# Allegro board RK_EVB1_RK3576_LP4XD200P132SD6_V12_20240530YWQ.brd (continued)
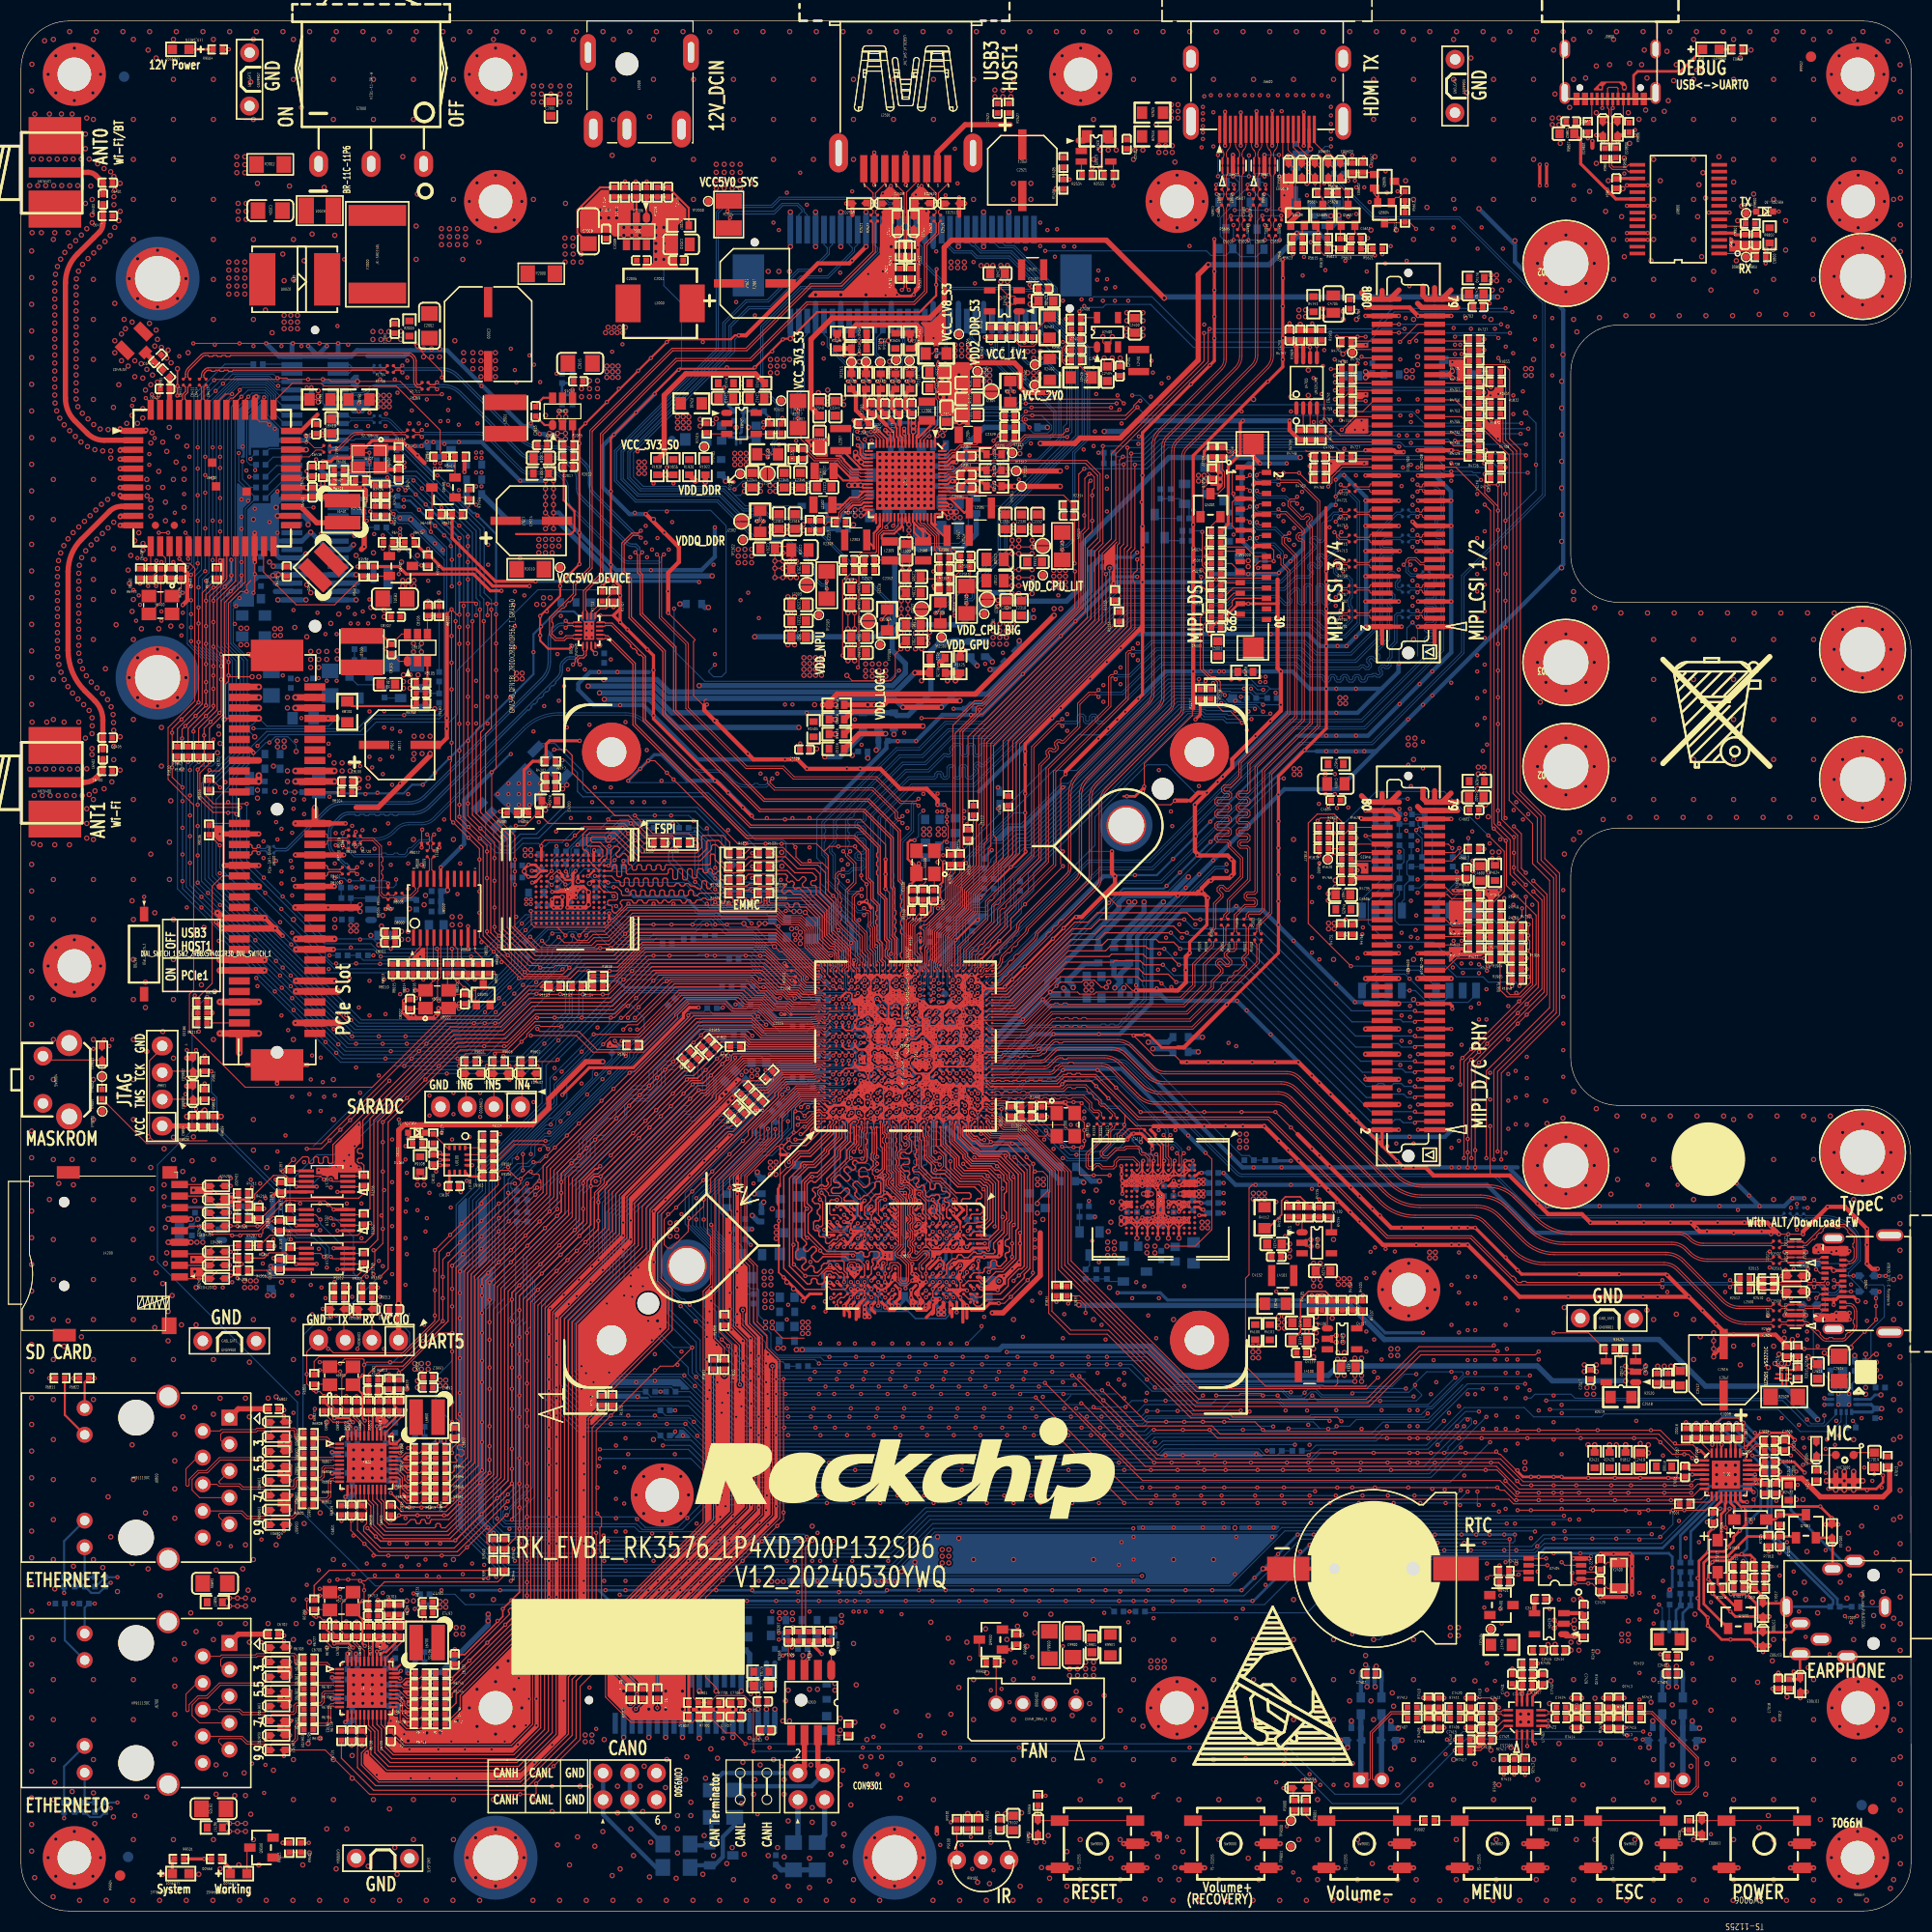
[diagram p0: board, top side]
## Routing (per net, layer and track width the routed paths; a pad name or vN(x,y) marks a point on that pad's centre or on a via; arc(x,y) is an arc through that point) (continued)
TYPEC_RX1P: length 11.9
  TOP w0.098: J2500.B11 173.77,57.5 173.91,57.64 174.16,57.64 arc(174.28,57.61) 174.39,57.54 174.43,57.5 arc(174.56,57.31) 174.61,57.08 174.61,56.39 174.49,56.27 174.49,55.96 174.61,55.85 174.61,55.7 arc(174.58,55.55) 174.5,55.43 174.16,55.09 173.99,55.09 173.78,54.88 173.78,54.71 173.63,54.57 arc(173.55,54.51) 173.46,54.5 172.63,54.5 172.51,54.61 172.2,54.61 172.09,54.5 171.92,54.5 arc(171.79,54.52) 171.69,54.59 171.36,54.92 171.36,55.08 171.14,55.3 170.98,55.3 170.76,55.52 170.76,55.68 170.55,55.9 170.38,55.9 170.17,56.11 169.84,56.11 169.7,56.25 ED2505.2 ED2505.9 168.28,56.25 168.12,56.09 167.67,56.09 R2506.2
TYPEC_RX2N: length 4.6
  TOP w0.098: J2500.A10 171.43,61.75 171.3,61.89 169.93,61.89 169.8,61.75 ED2507.1 ED2507.10 168.27,61.75 168.15,61.87 167.67,61.87 R2507.2
TYPEC_RX2P: length 4.6
  TOP w0.098: J2500.A11 171.43,62.25 171.3,62.11 169.93,62.11 169.8,62.25 ED2507.2 ED2507.9 168.31,62.25 168.15,62.09 167.67,62.09 R2508.2
TYPEC_SBU1: length 15.7
  TOP w0.107: J2500.A8 171.34,60.75 170.99,61.1 v1(170.96,61.1)
  BOTTOM w0.098: ED2500.1 173.15,61.66 173.65,61.16 174.1,61.16 174.95,62.01 174.95,63.62 arc(174.82,64.29) 174.43,64.86 arc(173.17,65.71) 171.68,66.01 169.96,66.01 R2503.1 169.58,66.01 169.32,66.01 R2500.2 168.95,66.01 168.68,66.01 C2500.2
  BOTTOM w0.107: v1(170.96,61.1) ED2500.1
TYPEC_SBU2: length 15.6
  TOP w0.107: J2500.B8 v1(174.28,59)
  BOTTOM w0.098: C2501.2 168.68,66.23 168.95,66.23 R2502.2 169.32,66.23 169.41,66.23 169.58,66.23 R2504.1 169.96,66.23 171.68,66.23 arc(173.25,65.92) 174.59,65.02 arc(175.02,64.38) 175.17,63.62 175.17,61.92 174.03,60.78 174.03,60.5 175.15,59.37 ED2503.1 v1(174.28,59)
TYPEC_TX1N: length 4.6
  TOP w0.098: J2500.A3 171.43,57.75 171.3,57.61 169.93,57.61 169.8,57.75 ED2505.5 ED2505.6 168.31,57.75 168.15,57.59 167.67,57.59 C2508.2
TYPEC_TX1P: length 4.6
  TOP w0.098: C2509.2 167.67,57.37 168.15,57.37 168.27,57.25 ED2505.7 ED2505.4 169.8,57.25 169.93,57.39 171.3,57.39 171.43,57.25 J2500.A2
TYPEC_TX2N: length 12.4
  TOP w0.098: C2510.2 167.67,63.59 168.15,63.59 168.31,63.75 ED2507.6 ED2507.5 169.64,63.75 169.78,63.61 169.98,63.61 171.6,65.24 arc(171.77,65.35) 171.96,65.39 173.72,65.39 174.8,64.31 174.8,62.3 arc(174.76,62.1) 174.65,61.94 174.5,61.78 arc(174.34,61.68) 174.15,61.64 174.02,61.64 173.88,61.5 J2500.B3
TYPEC_TX2P: length 12.2
  TOP w0.098: J2500.B2 173.88,62 174.02,61.86 174.15,61.86 arc(174.25,61.88) 174.34,61.94 174.49,62.09 arc(174.56,62.19) 174.58,62.3 174.58,63.12 174.46,63.23 174.46,63.54 174.58,63.65 174.58,64.21 174.36,64.43 174.2,64.43 173.98,64.64 173.98,64.81 173.63,65.16 173.32,65.16 173.2,65.05 172.9,65.05 172.78,65.16 171.96,65.16 arc(171.85,65.14) 171.76,65.08 171.63,64.95 171.63,64.78 171.41,64.57 171.25,64.57 171.03,64.35 171.03,64.19 170.82,63.97 170.65,63.97 170.07,63.39 169.77,63.39 169.64,63.25 ED2507.4 ED2507.7 168.27,63.25 168.15,63.37 167.67,63.37 C2511.2
UART0_RX_M0_DEBUG: length 128.2
  TOP w0.089: U1000.AA28 86.9,89.61 86.9,90.35 87.01,90.47
  TOP w0.102: 87.01,90.47 87.01,93.28 89.46,95.73 89.46,97.5 91.48,99.52 91.48,103.2 91.73,103.45 91.73,111.51 102.98,122.75 102.98,129.3 104.27,130.59 104.27,138.76 113.07,147.56 113.07,150.54 v1(113.2,150.68) ; v1(166.16,156.92) 166.17,156.93 R9801.1
  L4-SIG w0.102: v1(166.16,156.92) 161.91,152.67 141.42,152.67 v1(141.39,152.64)
  BOTTOM w0.102: v1(141.39,152.64) 141.38,152.63 130.62,152.63 128.67,150.68 v1(113.2,150.68)
UART0_TX_M0_DEBUG: length 134.8
  TOP w0.089: U1000.1U24 86.71,89.04 86.71,90.44
  TOP w0.102: 86.71,90.44 86.81,90.54 86.81,93.37 89.26,95.82 89.26,97.58 91.23,99.55 91.23,103.45 91.48,103.7 91.48,111.72 102.66,122.9 102.66,129.48 103.84,130.67 103.84,138.79 112.67,147.62 v1(112.67,150.28) ; D9800.2 v1(167.41,161.85)
  L4-SIG w0.102: v1(142.03,152.29) 142.08,152.34 162.09,152.34 167.55,157.81 167.55,161.71 v1(167.41,161.85)
  BOTTOM w0.102: v1(112.67,150.28) 112.71,150.32 128.83,150.32 130.79,152.29 v1(142.03,152.29)
UART4_CTSN_M1: length 114.9
  TOP w0.102: U6400.42 19.6,143.02 19.6,143.71 19.98,144.09 20.22,144.09 20.83,144.71 v1(20.83,144.85) ; v1(30.25,85.53) 30.93,84.85 v1(31.44,84.85)
  BOTTOM w0.102: v1(30.25,85.53) 17.52,98.26 17.52,107.33 20.49,110.31 20.49,119.07 19.04,120.52 19.04,126.3 19.68,126.94 19.68,143.55 20.83,144.71 v1(20.83,144.85) 21.09,145.11 23.28,145.11 24.04,144.34 24.04,143.45 25.04,142.46 25.8,142.46 CON6500.45 ; R1815.2 63.01,92.65 60.49,92.65 60.23,92.39 57.15,92.39 55.87,93.67 50.08,93.67 47.32,90.91 47.32,90.1 41.48,84.26 32.02,84.26 v1(31.44,84.85)
UART4_RTSN_M1: length 99
  TOP w0.102: U6400.43 18.65,143.65 19.47,144.47 v1(20.1,144.47)
  BOTTOM w0.102: R1814.2 48.27,90.2 41.72,83.65 31.62,83.65 17.18,98.09 17.18,107.38 20.12,110.32 20.12,119.11 18.67,120.56 18.67,126.44 19.32,127.08 19.32,143.69 v1(20.1,144.47) 20.1,144.68 20.78,145.36 23.31,145.36 24.25,144.42 24.25,144.01 24.99,143.27 CON6500.47
UART4_RX_M1: length 95.5
  TOP w0.102: U6400.40 21.35,143.91 v1(21.65,144.22)
  BOTTOM w0.102: R1817.2 47.02,91.27 47.02,90.23 41.36,84.57 32.22,84.57 18.23,98.56 18.23,107.11 21.19,110.08 21.19,119.1 19.6,120.7 19.6,124.82 20.65,125.87 20.65,129.07 20.39,129.33 20.39,142.95 v1(21.65,144.22) 22.01,144.57 23.24,144.57 23.5,144.3 23.5,142.47 25.11,140.87 CON6500.41
UART4_TX_M1: length 111.9
  TOP w0.102: v1(20.99,144.22) 20.45,143.67 U6400.41
  BOTTOM w0.102: CON6500.43 25.8,141.66 25.08,141.66 23.79,142.95 23.79,144.31 23.24,144.85 21.63,144.85 v1(20.99,144.22) 20.03,143.25 20.03,129.16 20.38,128.81 20.38,126.6 19.34,125.57 19.34,120.59 20.87,119.07 20.87,110.25 17.87,107.25 17.87,98.41 30.6,85.68 30.6,85.14 31.79,83.96 41.61,83.96 47.67,90.01 47.67,90.95 50.18,93.46 55.37,93.46 56.76,92.06 60.99,92.06 R1816.2
UART5_RX_M2/I2C5_SDA_M0: length 10.7
  TOP w0.102: U1302.3 29.69,65.8 v1(29.5,65.98) ; R9313.1 R9311.2 v1(32.52,59.89)
  BOTTOM w0.102: v1(29.5,65.98) 29.89,65.98 31.66,64.21 31.66,60.75 v1(32.52,59.89)
UART5_TX_M2/I2C5_SCL_M0: length 10.3
  TOP w0.102: v1(28.51,65.86) 28.06,66.3 U1302.7 ; v1(29.85,59.89) R9312.2 R9314.1
  BOTTOM w0.102: v1(28.51,65.86) 28.51,65.46 30.77,63.19 30.77,60.82 v1(29.85,59.89)
UFS_AVDD0V85: length 18.8
  TOP w0.229: U1000.2N2 v1(88.47,79.12)
  BOTTOM w0.305: v1(88.47,79.12) 88.47,78.77 C1302.1 88.36,78.71 87.65,78 87.65,75.15 C1303.1
  BOTTOM w0.508: R1320.1 96,72.49 93.42,72.49 93.01,72.09 91.35,72.09 90.85,72.59 90.21,72.59 C1303.1
UFS_AVDD1V8: length 17.3
  TOP w0.229: U1000.2P2 v1(89.12,79.12)
  BOTTOM w0.305: v1(89.12,79.12) 89.12,78.83 C1305.1 89.3,78.56 89.3,74.99 C1306.1
  BOTTOM w0.508: R1323.1 98.65,70.88 95.88,73.65 93.58,73.65 92.62,72.69 91.63,72.69 91.1,73.22 90.55,73.22 89.15,74.62 C1306.1
UFS_REFCLK: length 18.8
  TOP w0.114: U4100.H1 108.28,71.89 v1(108.12,72.06)
  BOTTOM w0.114: R1306.2 94.22,75.49 96.96,75.49 100.07,72.38 101.81,72.38 103.85,74.41 104.96,74.41 105.83,73.54 105.83,73.35 107.12,72.06 C4109.1 v1(108.12,72.06)
UFS_RSTN: length 22.6
  TOP w0.089: U4100.H2 108.53,70.8 108.53,71.57
  TOP w0.114: 108.53,71.57 108.53,72.81 107.02,74.32 C4110.1 106.92,74.49 105.5,74.49 v1(104.74,73.73)
  BOTTOM w0.114: v1(104.74,73.73) 102.67,71.66 99.77,71.66 96.48,74.95 92.41,74.95 R1304.2
UFS_RX0N: length 14.1
  TOP w0.089: U1000.AL7 92.54,78.01 92.78,78.01 92.84,78.07 93.12,78.07 93.25,77.94 93.53,77.94 93.67,78.07 93.94,78.07 94.08,77.94 94.36,77.94 94.49,78.07 94.77,78.07 94.91,77.94 95.19,77.94 95.32,78.07 95.6,78.07 95.74,77.94 96.02,77.94 96.15,78.07 99.31,78.07 99.7,78.46 99.98,78.46 100.12,78.33 100.39,78.33 100.53,78.46 101.33,78.46 101.52,78.26 101.52,78.07 101.72,77.88 101.91,77.88 102.11,77.68 102.11,77.49 102.31,77.29 102.5,77.29 102.66,77.13 102.66,76.86 102.88,76.64 103.15,76.64 103.95,75.84 103.95,75.72 R1314.1
UFS_RX0P: length 14.3
  TOP w0.089: R1313.1 104.18,75.73 104.18,75.93 103.24,76.86 102.97,76.86 102.88,76.95 102.88,77.22 101.42,78.68 99.61,78.68 99.22,78.3 92.74,78.3 92.68,78.24 92.22,78.24 U1000.AK8
UFS_RX1N: length 12.5
  TOP w0.089: U1000.AL6 92.54,77.47 92.86,77.47 92.98,77.35 93.28,77.35 93.4,77.47 94.34,77.47 94.48,77.33 94.76,77.33 94.89,77.47 95.17,77.47 95.3,77.33 95.58,77.33 95.72,77.47 96,77.47 96.13,77.33 96.41,77.33 96.55,77.47 96.83,77.47 96.97,77.32 97.24,77.32 97.39,77.47 97.66,77.47 97.78,77.35 98.05,77.35 98.17,77.47 98.45,77.47 98.58,77.33 98.86,77.33 99,77.47 99.59,77.47 99.72,77.33 100,77.33 100.14,77.47 101.14,77.47 101.75,76.86 101.75,76.42 102.12,76.05 102.56,76.05 102.69,75.92 102.69,75.73 R1319.1
UFS_RX1P: length 12.6
  TOP w0.089: U1000.AK7 92.22,77.69 101.24,77.69 101.97,76.96 101.97,76.51 102.21,76.27 102.66,76.27 102.91,76.02 102.91,75.73 R1318.1
UFS_RX_D0N: length 9.7
  TOP w0.089: R1314.2 103.93,74.8 103.93,74.68 103.55,74.3 103.55,73.11 102.78,72.33 102.78,72 103.08,71.71 103.55,71.71 104.31,72.46 105.13,72.46 105.29,72.62 106.37,72.62 106.5,72.5 106.5,72.21 106.72,71.99 107.01,71.99 107.31,71.69 107.31,71.07 U4100.K1
UFS_RX_D0P: length 10.4
  TOP w0.089: U4100.K2 107.53,70.8 107.53,71.78 107.1,72.21 106.81,72.21 106.72,72.3 106.72,72.59 106.47,72.84 105.2,72.84 105.04,72.68 104.22,72.68 103.46,71.93 103.17,71.93 103.01,72.09 103.01,72.24 103.78,73.01 103.78,74.21 104.15,74.58 104.15,74.73 R1313.2
UFS_RX_D1N: length 10.8
  TOP w0.089: U4100.M1 106.31,71.07 106.31,71.16 105.9,71.57 104.6,71.57 104.33,71.3 104.33,70.95 104.05,70.67 102.94,70.67 102.64,70.97 102.45,70.97 102.16,70.67 101.64,70.67 101.42,70.89 101.42,72.13 102.69,73.4 102.69,74.76 R1319.2
UFS_RX_D1P: length 11.4
  TOP w0.089: R1318.2 102.91,74.76 102.91,73.31 101.64,72.04 101.64,70.99 101.73,70.9 102.06,70.9 102.36,71.19 102.74,71.19 103.03,70.9 103.96,70.9 104.1,71.04 104.1,71.39 104.5,71.8 105.99,71.8 106.53,71.25 106.53,70.8 U4100.M2
UFS_SOC_REFCLK: length 1.5
  TOP w0.102: U1000.AK4 92.22,76.04 92.82,76.04 v1(92.83,76.03)
  BOTTOM w0.114: R1306.1 92.97,75.89 v1(92.83,76.03)
UFS_SOC_RSTN: length 1.2
  TOP w0.114: v1(90.59,76.03) 90.59,76.02 U1000.1AD2
  BOTTOM w0.114: R1304.1 91.07,75.56 90.6,76.02 90.59,76.02 v1(90.59,76.03)
UFS_TX0N: length 3
  TOP w0.089: v1(90.54,77.87) U1000.1AC6
  BOTTOM w0.089: R1305.1 92.64,78.2 90.87,78.2 90.54,77.87 v1(90.54,77.87)
UFS_TX0P: length 2.4
  TOP w0.089: v1(91.14,77.87) U1000.1AD6
  BOTTOM w0.089: R1303.1 92.64,77.97 92.36,77.97 92.23,77.84 91.95,77.84 91.82,77.97 91.25,77.97 v1(91.14,77.87)
UFS_TX1N: length 3.5
  TOP w0.089: U1000.1AD5 v1(91.1,77.31)
  BOTTOM w0.089: v1(91.1,77.31) 91.1,77.31 91.25,77.16 93.91,77.16 R1309.1
UFS_TX1P: length 3.8
  TOP w0.089: U1000.1AD4 v1(91.1,76.71)
  BOTTOM w0.089: R1307.1 93.91,76.94 93.18,76.94 93.05,76.8 92.77,76.8 92.63,76.94 92.35,76.94 92.22,76.8 91.94,76.8 91.8,76.94 91.32,76.94 v1(91.1,76.71)
UFS_TX_D0N: length 22.8
  TOP w0.089: v1(109.47,73.9) 109.26,73.68 109.26,71.89 109.53,71.62 109.53,70.8 U4100.F2
  BOTTOM w0.089: v1(109.47,73.9) 109.26,74.12 109.26,74.43 104.24,79.45 95.93,79.45 94.68,78.2 93.61,78.2 R1305.2
UFS_TX_D0P: length 22.9
  TOP w0.089: v1(108.81,73.9) 109.03,73.68 109.03,71.8 109.31,71.53 109.31,71.07 U4100.F1
  BOTTOM w0.089: v1(108.81,73.9) 109.03,74.12 109.03,74.34 104.15,79.22 103.07,79.22 102.93,79.09 102.65,79.09 102.52,79.22 102.24,79.22 102.11,79.09 101.83,79.09 101.69,79.22 101.41,79.22 101.28,79.09 101,79.09 100.86,79.22 100.58,79.22 100.45,79.09 100.17,79.09 100.04,79.22 99.76,79.22 99.62,79.09 99.34,79.09 99.21,79.22 98.63,79.22 98.49,79.09 98.22,79.09 98.08,79.22 97.8,79.22 97.67,79.09 97.39,79.09 97.25,79.22 96.97,79.22 96.84,79.09 96.56,79.09 96.42,79.22 96.02,79.22 95.36,78.56 95.36,78.37 95.16,78.17 94.97,78.17 94.77,77.97 93.61,77.97 R1303.2
UFS_TX_D1N: length 20.9
  TOP w0.089: v1(110.75,72.17) 110.53,71.95 110.53,70.8 U4100.D2
  BOTTOM w0.089: R1309.2 94.88,77.16 95.04,77.16 95.9,78.02 102.05,78.02 103.42,76.65 104.62,76.65 108.06,73.21 109.91,73.21 110.53,72.59 110.53,72.39 v1(110.75,72.17)
UFS_TX_D1P: length 20.7
  TOP w0.089: U4100.D1 110.31,71.07 110.31,71.95 v1(110.09,72.17)
  BOTTOM w0.089: v1(110.09,72.17) 110.31,72.39 110.31,72.5 109.81,72.99 109.41,72.99 109.27,72.86 108.99,72.86 108.86,72.99 107.97,72.99 107.49,73.47 107.3,73.47 107.1,73.67 107.1,73.86 106.9,74.06 106.71,74.06 106.51,74.26 106.51,74.45 104.53,76.43 103.33,76.43 101.96,77.8 99.95,77.8 99.82,77.66 99.54,77.66 99.41,77.8 99.13,77.8 98.99,77.66 98.71,77.66 98.58,77.8 98.3,77.8 98.16,77.66 97.88,77.66 97.75,77.8 97.47,77.8 97.34,77.66 97.06,77.66 96.92,77.8 95.99,77.8 95.13,76.94 94.88,76.94 R1307.2
UFS_TX_REXT: length 0.9
  TOP w0.102: U1000.2R2 v1(89.77,79.12)
  BOTTOM w0.305: v1(89.77,79.12) 90.01,78.87 R1301.1
USB2_HOST1_DM: length 115.6
  TOP w0.107: U1000.2T5 v1(90.42,81.72) ; R2531.1 84.34,155.13 84.34,154.61 v1(84.56,154.39)
  L4-SIG w0.089: v1(114.81,99.7) 115.01,99.5 115.36,99.5 116.2,100.34 116.2,111.77 110.82,117.16 110.82,122.5 108.23,125.09 108.23,131.46 103.99,135.7 103.99,141.42 100.53,144.87 100.53,148.9 97.47,151.96 95.82,151.96 95.16,152.62 95.16,153.64 94.42,154.38 93.62,154.38 93.36,154.12 86.02,154.12 85.26,154.88 84.46,154.88 84.35,154.78 84.35,154.6 v1(84.56,154.39)
  BOTTOM w0.107: v1(114.81,99.7) 114.59,99.48 113.69,99.48 106.94,92.73 106.94,90.29 106.82,90.18 106.82,89.87 106.94,89.75 106.94,89.45 106.82,89.33 106.82,89.03 106.94,88.91 106.94,88.61 106.82,88.49 106.82,88.18 106.94,88.07 106.94,86.83 105.74,85.64 105.59,85.64 105.38,85.42 105.38,85.27 105.16,85.06 105.01,85.06 104.79,84.84 104.79,84.69 104.47,84.37 104.17,84.37 104.06,84.48 103.76,84.48 103.65,84.37 103.35,84.37 103.24,84.48 102.94,84.48 102.83,84.37 96.25,84.37 95.61,83.72 95.44,83.72 95.23,83.51 95.23,83.34 95.01,83.13 94.85,83.13 94.63,82.91 94.63,82.75 94.42,82.53 94.25,82.53 94.03,82.31 94.03,82.15 93.82,81.93 93.65,81.93 93.44,81.72 93.44,81.55 93.11,81.22 92.77,81.22 92.66,81.34 92.35,81.34 92.24,81.22 91.93,81.22 91.81,81.34 91.51,81.34 91.39,81.22 91.09,81.22 90.83,81.48 90.66,81.48 v1(90.42,81.72)
USB2_HOST1_DP: length 115.6
  TOP w0.107: U1000.2T4 v1(90.42,81.07) ; v1(83.9,154.39) 84.11,154.61 84.11,155.13 R2530.1
  L4-SIG w0.089: v1(114.81,99.04) 115.01,99.24 115.47,99.24 116.46,100.23 116.46,111.88 111.07,117.26 111.07,122.74 108.48,125.33 108.48,131.57 104.24,135.81 104.24,141.52 100.79,144.97 100.79,149.01 97.58,152.22 95.93,152.22 95.42,152.73 95.42,153.74 94.53,154.63 93.51,154.63 93.26,154.38 86.12,154.38 85.36,155.14 84.35,155.14 84.1,154.88 84.1,154.6 v1(83.9,154.39)
  BOTTOM w0.107: v1(114.81,99.04) 114.59,99.26 113.78,99.26 107.16,92.64 107.16,86.74 104.57,84.15 96.35,84.15 93.2,81 91,81 90.74,81.25 90.6,81.25 v1(90.42,81.07)
USB2_OTG0_DM: length 81.1
  TOP w0.107: v1(162.77,60.08) 162.99,59.86 163.32,59.86 R2513.1 ; U1000.AL9 92.54,79.02 92.85,79.02 92.94,79.11 93.24,79.11 93.33,79.02 93.63,79.02 93.72,79.11 94.03,79.11 94.12,79.02 94.42,79.02 94.51,79.11 94.82,79.11 94.9,79.02 95.21,79.02 95.3,79.11 95.6,79.11 95.69,79.02 96,79.02 96.09,79.11 96.39,79.11 96.48,79.02 96.78,79.02 96.87,79.11 97.18,79.11 97.27,79.02 98.61,79.02 99.26,79.67 99.57,79.67 99.68,79.79 99.99,79.79 100.11,79.67 100.41,79.67 100.53,79.79 100.83,79.79 100.95,79.67 102.37,79.67 106.43,75.61 118.85,75.61 130.16,64.31 138.14,64.31 142,60.44 142.15,60.44 142.37,60.23 142.37,60.08 142.58,59.86 142.89,59.86 142.99,59.97 143.3,59.97 143.41,59.86 156.11,59.86 v1(156.32,60.08)
  BOTTOM w0.107: v1(156.32,60.08) 156.54,59.86 162.55,59.86 v1(162.77,60.08)
USB2_OTG0_DP: length 80.9
  TOP w0.102: 92.56,78.79 92.38,78.79 92.1,79.07 U1000.AK9
  TOP w0.107: v1(162.77,59.42) 162.99,59.64 163.32,59.64 R2512.1 ; 92.56,78.79 98.7,78.79 99.35,79.45 102.28,79.45 106.34,75.38 118.76,75.38 130.07,64.08 138.05,64.08 142.49,59.64 156.11,59.64 v1(156.32,59.42)
  BOTTOM w0.107: v1(162.77,59.42) 162.55,59.64 156.54,59.64 v1(156.32,59.42)
USB2_OTG0_ID: length 3.1
  TOP w0.102: U1000.2R6 v1(89.77,81.72)
  BOTTOM w0.089: TP1400.1 92.08,82.08 89.89,82.08 89.77,81.95 v1(89.77,81.72)
USB2_OTG0_REXT: length 1.3
  TOP w0.102: U1000.2R3 v1(89.77,79.77)
  BOTTOM w0.089: v1(89.77,79.77) 90.23,80.23 R1401.1
USB2_OTG0_VBUSDET: length 35.7
  TOP w0.102: U1000.2P3 v1(89.12,79.77)
  BOTTOM w0.089: C1404.1 91.51,80.53 90.26,80.53 89.84,80.1 89.45,80.1 v1(89.12,79.77)
  BOTTOM w0.102: C1404.1 91.75,80.28 93.84,80.28 96.05,82.49 105.7,82.49 116.25,71.95 116.97,71.95 R2517.1 R2514.1
USB2_OTG1_ID: length 2.8
  TOP w0.102: U1000.2T9 v1(90.42,83.67)
  BOTTOM w0.089: 91.99,84.2 91.39,84.2 91.18,83.99 90.83,83.99 90.51,83.67 v1(90.42,83.67)
  BOTTOM w0.102: 91.99,84.2 92.06,84.2 TP1401.1
USB2_OTG1_REXT: length 1.1
  TOP w0.102: U1000.2U8 v1(91.07,83.67)
  BOTTOM w0.089: R1402.1 91.33,83.67 v1(91.07,83.67)
USB2_OTG1_VBUSDET: length 110.2
  TOP w0.102: U1000.2T10 v1(90.42,84.97) ; R1405.1 R1406.1 v1(99.86,164.9)
  L4-SIG w0.102: v1(99.86,164.9) 103.94,164.9 104.43,164.41 104.43,160.57 115.11,149.89 115.11,139.91 114.65,139.45 114.65,138.7 115.11,138.24 115.11,125.01 117.64,122.48 117.64,119.23 119.13,117.74 119.13,115.68 119.34,115.47 119.34,108.86 120.26,107.94 v1(120.26,107.86)
  BOTTOM w0.102: v1(120.26,107.86) 119.98,107.86 109.24,97.12 105.08,97.12 103.96,96.01 103.96,95.87 93.51,85.42 92.09,85.42 C1409.1 91.31,84.64 90.75,84.64 v1(90.42,84.97)
USB2_OTG_AVDD1V8: length 31
  TOP w0.229: U1000.2P4 v1(89.12,81.07)
  L4-SIG w0.089: 90.09,81.2 90.09,80.93 ; 90.09,81.2 90.28,81.39 ; 90.09,81.2 90.08,81.21 ; 90.09,80.93 90.3,80.72 ; 90.09,80.93 90.09,80.86 89.96,80.72 ; 90.28,81.39 90.55,81.39 ; 90.28,81.39 90.08,81.39 ; 90.85,81.35 90.81,81.39 90.55,81.39 ; 89.63,81.39 89.24,81.39 89.12,81.27 v1(89.12,81.07) ; 89.63,81.39 89.31,81.07 89.28,81.07 ; 89.63,81.39 89.9,81.39 ; 90.55,81.39 90.85,81.1 ; 90.08,81.39 90.08,81.21 ; 90.08,81.39 89.9,81.39 ; 90.08,81.21 89.9,81.39
  L4-SIG w0.102: 94.08,81.18 93.99,81.1 91.32,81.1 91.24,81.17 91.02,81.17 90.85,81.35
  L4-SIG w0.127: 89.62,80.72 89.28,81.07 v1(89.12,81.07) 89.12,80.85 89.24,80.72 89.62,80.72 ; 89.62,80.72 90.56,80.72 90.85,81.01 90.85,81.35
  L4-SIG w0.508: 94.08,81.18 97.43,81.18 v2(104.17,87.92)
  BOTTOM w0.305: C1406.1 89.28,80.91 v1(89.12,81.07)
  BOTTOM w0.508: C1407.1 104.09,89.18 104.09,90.22 105.54,90.22 105.54,90.08 104.71,89.24 C1407.1 ; C1407.1 104.71,88.46 v2(104.17,87.92)
USB2_OTG_AVDD3V3: length 121.6
  TOP w0.229: U1000.2P7 89.07,82.97 89.07,83.01 v1(89.07,83.02)
  L4-SIG w0.508: v2(111.18,98.48) 111.18,107.75 108.96,109.96 108.96,121.5 105.75,124.71 105.75,129.47 100.19,135.03 100.19,143 99,144.19 99,145.53 98.15,146.38 98.15,148.72 96.69,150.19 94.84,150.19 92.32,152.71 76.7,152.71 74.08,150.1 74.08,147.39 72.18,145.49 v2(68.62,145.49)
  BOTTOM w0.203: C1408.1 89.79,82.32 91.45,82.32 92.12,82.99
  BOTTOM w0.305: v1(89.07,83.02) 89.07,83.02 89.41,82.68 C1408.1
  BOTTOM w0.508: v2(111.18,98.48) 109.41,96.71 105.24,96.71 104.56,96.03 104.56,95.46 97.7,88.6 97.7,88.08 92.61,82.99 92.12,82.99
USB2_OTG_DVDD0V75: length 96.6
  TOP w0.203: U1000.2P5 v1(89.12,81.72)
  TOP w0.508: R1407.1 v2(80.53,149.52) R1408.1
  L4-SIG w0.089: 91.99,82.06 91.97,82.07
  L4-SIG w0.102: 91.99,82.09 92.14,82.24 93.89,82.24 94.15,81.99 93.55,81.99 93.02,81.46 92.73,81.46 92.37,81.83
  L4-SIG w0.152: v1(89.12,81.72) 89.47,82.07 91.97,82.07 91.99,82.09
  L4-SIG w0.508: 94.15,81.99 95.11,81.99 100.82,87.69 100.82,92.87 98.67,95.01 98.67,111.86 97.48,113.06 97.48,116.54 95.69,118.33 95.69,130.74 95.29,131.14 95.29,132.91 95.8,133.42 95.8,137.1 94.53,138.38 94.53,142.95 93.17,144.3 93.17,147.73 90.52,150.38 81.39,150.38 v2(80.53,149.52)
  BOTTOM w0.229: C1405.1 88.84,82 v1(89.12,81.72)
USB3_HOST1_SSRXN: length 61.2
  TOP w0.107: U1700.14 52.65,121.14 52.56,121.23 51.99,121.23 51.76,121.01 50.88,121.01 50.33,121.55 50.33,123.2 52.6,125.46 52.6,126.42 54.17,127.99 54.17,141.01 61.99,148.82 69.04,148.82 75.19,154.98 78.05,154.98 81.14,158.07 81.14,160.76 R2521.1
USB3_HOST1_SSRXP: length 61.1
  TOP w0.107: U1700.13 52.65,121.54 52.56,121.46 51.89,121.46 51.67,121.23 50.97,121.23 50.56,121.64 50.56,122.23 50.67,122.35 50.67,122.65 50.56,122.77 50.56,123.1 51.54,124.09 51.7,124.09 51.92,124.3 51.92,124.47 52.14,124.68 52.3,124.68 52.52,124.9 52.52,125.06 52.82,125.37 52.82,126.32 54.4,127.9 54.4,140.91 62.08,148.6 69.13,148.6 75.29,154.76 78.15,154.76 81.37,157.98 81.37,160.74 R2522.1
USB3_HOST1_SSTXN: length 61.8
  TOP w0.107: C2519.1 87.17,160.73 87.17,159.84 86.05,158.72 86.05,154.28 85,153.23 74.81,153.23 69.44,147.86 62.36,147.86 55.19,140.69 55.19,127.36 53.56,125.73 53.56,123.78 53.51,123.72 U1700.9
USB3_HOST1_SSTXP: length 61.8
  TOP w0.107: U1700.8 53.91,123.76 53.79,123.88 53.79,125.64 55.41,127.26 55.41,140.6 62.45,147.63 69.53,147.63 74.9,153.01 85.1,153.01 86.27,154.19 86.27,158.63 87.39,159.75 87.39,160.76 C2520.1
USB3_HOST_PWREN_H: length 90.3
  TOP w0.102: v1(104.04,164.31) R2533.1 104.04,166.36 U2503.4
  L4-SIG w0.102: v1(118.99,114.03) 118.99,115.31 118.88,115.42 118.88,117.7 117.26,119.32 117.26,122.48 114.72,125.02 114.72,138.12 114.21,138.63 114.21,139.39 114.72,139.9 114.72,149.79 104.04,160.47 v1(104.04,164.31)
  BOTTOM w0.102: v1(118.99,114.03) 118.82,113.87 114.97,113.87 114.85,113.99 112.82,113.99 112.56,114.25 110.91,114.25 95.16,98.5 R1109.2
USB3_OTG0/DP_TX_AVDD0V85: length 21.3
  TOP w0.229: U1000.2N5 88.14,81.44 v1(87.87,81.72) 87.82,81.72 U1000.2M5
  L4-SIG w0.102: 92.15,82.71 91.95,82.71
  L4-SIG w0.152: 91.51,82.39 91.82,82.71 91.95,82.71 91.63,82.39 91.51,82.39 ; 91.51,82.39 88.54,82.39 v1(87.87,81.72)
  L4-SIG w0.508: v2(100.21,87.95) 94.97,82.71 92.15,82.71
  BOTTOM w0.254: v1(87.87,81.72) 87.64,81.94 C1400.1
  BOTTOM w0.508: 102.61,90.22 101.28,90.22 C1401.1 100.21,88.09 v2(100.21,87.95)
USB3_OTG0/DP_TX_AVDD1V8: length 61
  TOP w0.229: v1(88.49,81.07) 88.47,81.07 U1000.2N4
  L4-SIG w0.203: v1(88.49,81.07) 89.1,80.46 90.67,80.46 90.79,80.57 92.04,80.57
  L4-SIG w0.508: 92.04,80.57 97.69,80.57 v2(105.03,87.92) 105.03,91.51 100.19,96.34 100.19,114.69 96.45,118.43 v2(96.45,123.19)
  BOTTOM w0.305: C1402.1 88.72,80.84 v1(88.49,81.07)
  BOTTOM w0.508: R1404.1 95.98,123.19 v2(96.45,123.19) ; v2(105.03,87.92) 104.71,87.59 C1403.1
USB3_OTG0_DP_TX_REXT: length 0.9
  TOP w0.102: U1000.2T7 v1(90.42,83.02)
  BOTTOM w0.102: R1400.1 90.67,82.76 v1(90.42,83.02)
USB3_OTG0_SSRX1N/DP_TX_D0N: length 84.2
  TOP w0.098: R2505.1 166.71,55.87 164.23,55.87 arc(162.94,56.13) 161.85,56.85 157.66,61.05 arc(157.11,61.41) 156.46,61.54 145.07,61.54 arc(143.42,61.87) 142.02,62.8 139.28,65.55 arc(138.73,65.91) 138.09,66.04 132.78,66.04 arc(130.94,66.4) 129.39,67.44 120.31,76.52 arc(119.96,76.75) 119.55,76.83 107.99,76.83 arc(107.12,77.01) 106.39,77.5 106.09,77.8 103.97,79.92 103.73,80.15 arc(103.36,80.4) 102.91,80.49 99.15,80.49 arc(99.07,80.48) 99,80.43 98.43,79.85 arc(98.22,79.72) 97.98,79.67 92.54,79.67 U1000.AL10
USB3_OTG0_SSRX1P/DP_TX_D0P: length 85
  TOP w0.098: R2506.1 166.71,56.09 164.23,56.09 arc(163.03,56.33) 162.01,57.01 157.82,61.2 arc(157.2,61.62) 156.46,61.77 145.07,61.77 arc(143.5,62.08) 142.18,62.96 139.44,65.7 arc(138.82,66.12) 138.09,66.26 132.78,66.26 arc(131.03,66.61) 129.55,67.6 120.47,76.67 arc(120.05,76.96) 119.55,77.06 107.99,77.06 arc(107.21,77.21) 106.55,77.65 106.25,77.96 104.12,80.08 103.89,80.31 arc(103.44,80.61) 102.91,80.72 100.26,80.72 100.14,80.83 99.84,80.83 99.72,80.72 99.15,80.72 arc(98.99,80.68) 98.85,80.59 98.76,80.5 98.59,80.5 98.38,80.29 98.38,80.12 98.27,80.01 arc(98.14,79.92) 97.98,79.89 92.22,79.89 U1000.AK10
USB3_OTG0_SSRX2N/DP_TX_D2N: length 82.3
  TOP w0.098: R2507.1 166.71,61.87 160.6,61.87 arc(159.65,62.06) 158.84,62.6 158.48,62.96 arc(157.91,63.34) 157.24,63.47 146.95,63.47 arc(145.07,63.84) 143.49,64.9 141.46,66.94 141.45,66.95 arc(140.31,67.7) 138.98,67.97 133.41,67.97 arc(131.73,68.3) 130.31,69.25 121.35,78.21 arc(120.74,78.62) 120.01,78.76 108.88,78.76 arc(107.93,78.95) 107.13,79.49 106.88,79.73 105.1,81.51 arc(104.54,81.89) 103.88,82.02 98.85,82.02 arc(98.7,81.99) 98.57,81.9 97.66,80.99 arc(97.41,80.83) 97.12,80.77 92.54,80.77 U1000.AL12
USB3_OTG0_SSRX2P/DP_TX_D2P: length 83
  TOP w0.098: U1000.AK12 92.22,80.99 97.12,80.99 arc(97.33,81.03) 97.5,81.15 98.41,82.06 arc(98.61,82.19) 98.85,82.24 103.88,82.24 arc(104.63,82.09) 105.26,81.67 107.04,79.89 107.28,79.65 arc(108.02,79.16) 108.88,78.99 120.01,78.99 arc(120.82,78.82) 121.51,78.36 130.47,69.41 arc(131.82,68.51) 133.41,68.19 138.98,68.19 arc(140.4,67.91) 141.6,67.1 143.65,65.06 arc(145.16,64.05) 146.95,63.7 157.24,63.7 arc(157.99,63.54) 158.64,63.11 158.99,62.76 arc(159.73,62.27) 160.6,62.09 166.71,62.09 R2508.1
USB3_OTG0_SSTX1N/DP_TX_D1N: length 84.5
  TOP w0.098: U1000.AK11 92.22,80.44 97.47,80.44 arc(97.67,80.48) 97.83,80.59 98.54,81.3 arc(98.74,81.43) 98.97,81.48 103.16,81.48 arc(104.02,81.31) 104.74,80.83 106.67,78.89 106.87,78.7 arc(107.62,78.2) 108.5,78.02 119.74,78.02 arc(120.43,77.88) 121.02,77.49 129.91,68.6 arc(131.43,67.58) 133.23,67.23 138.6,67.23 arc(139.8,66.99) 140.81,66.31 143.23,63.89 arc(144.52,63.03) 146.03,62.73 156.63,62.73 arc(157.58,62.54) 158.38,62.01 162.19,58.2 arc(162.86,57.75) 163.66,57.59 166.71,57.59 C2508.1